# KiCad board AmigaPCI Mainboard.kicad_pcb (continued)
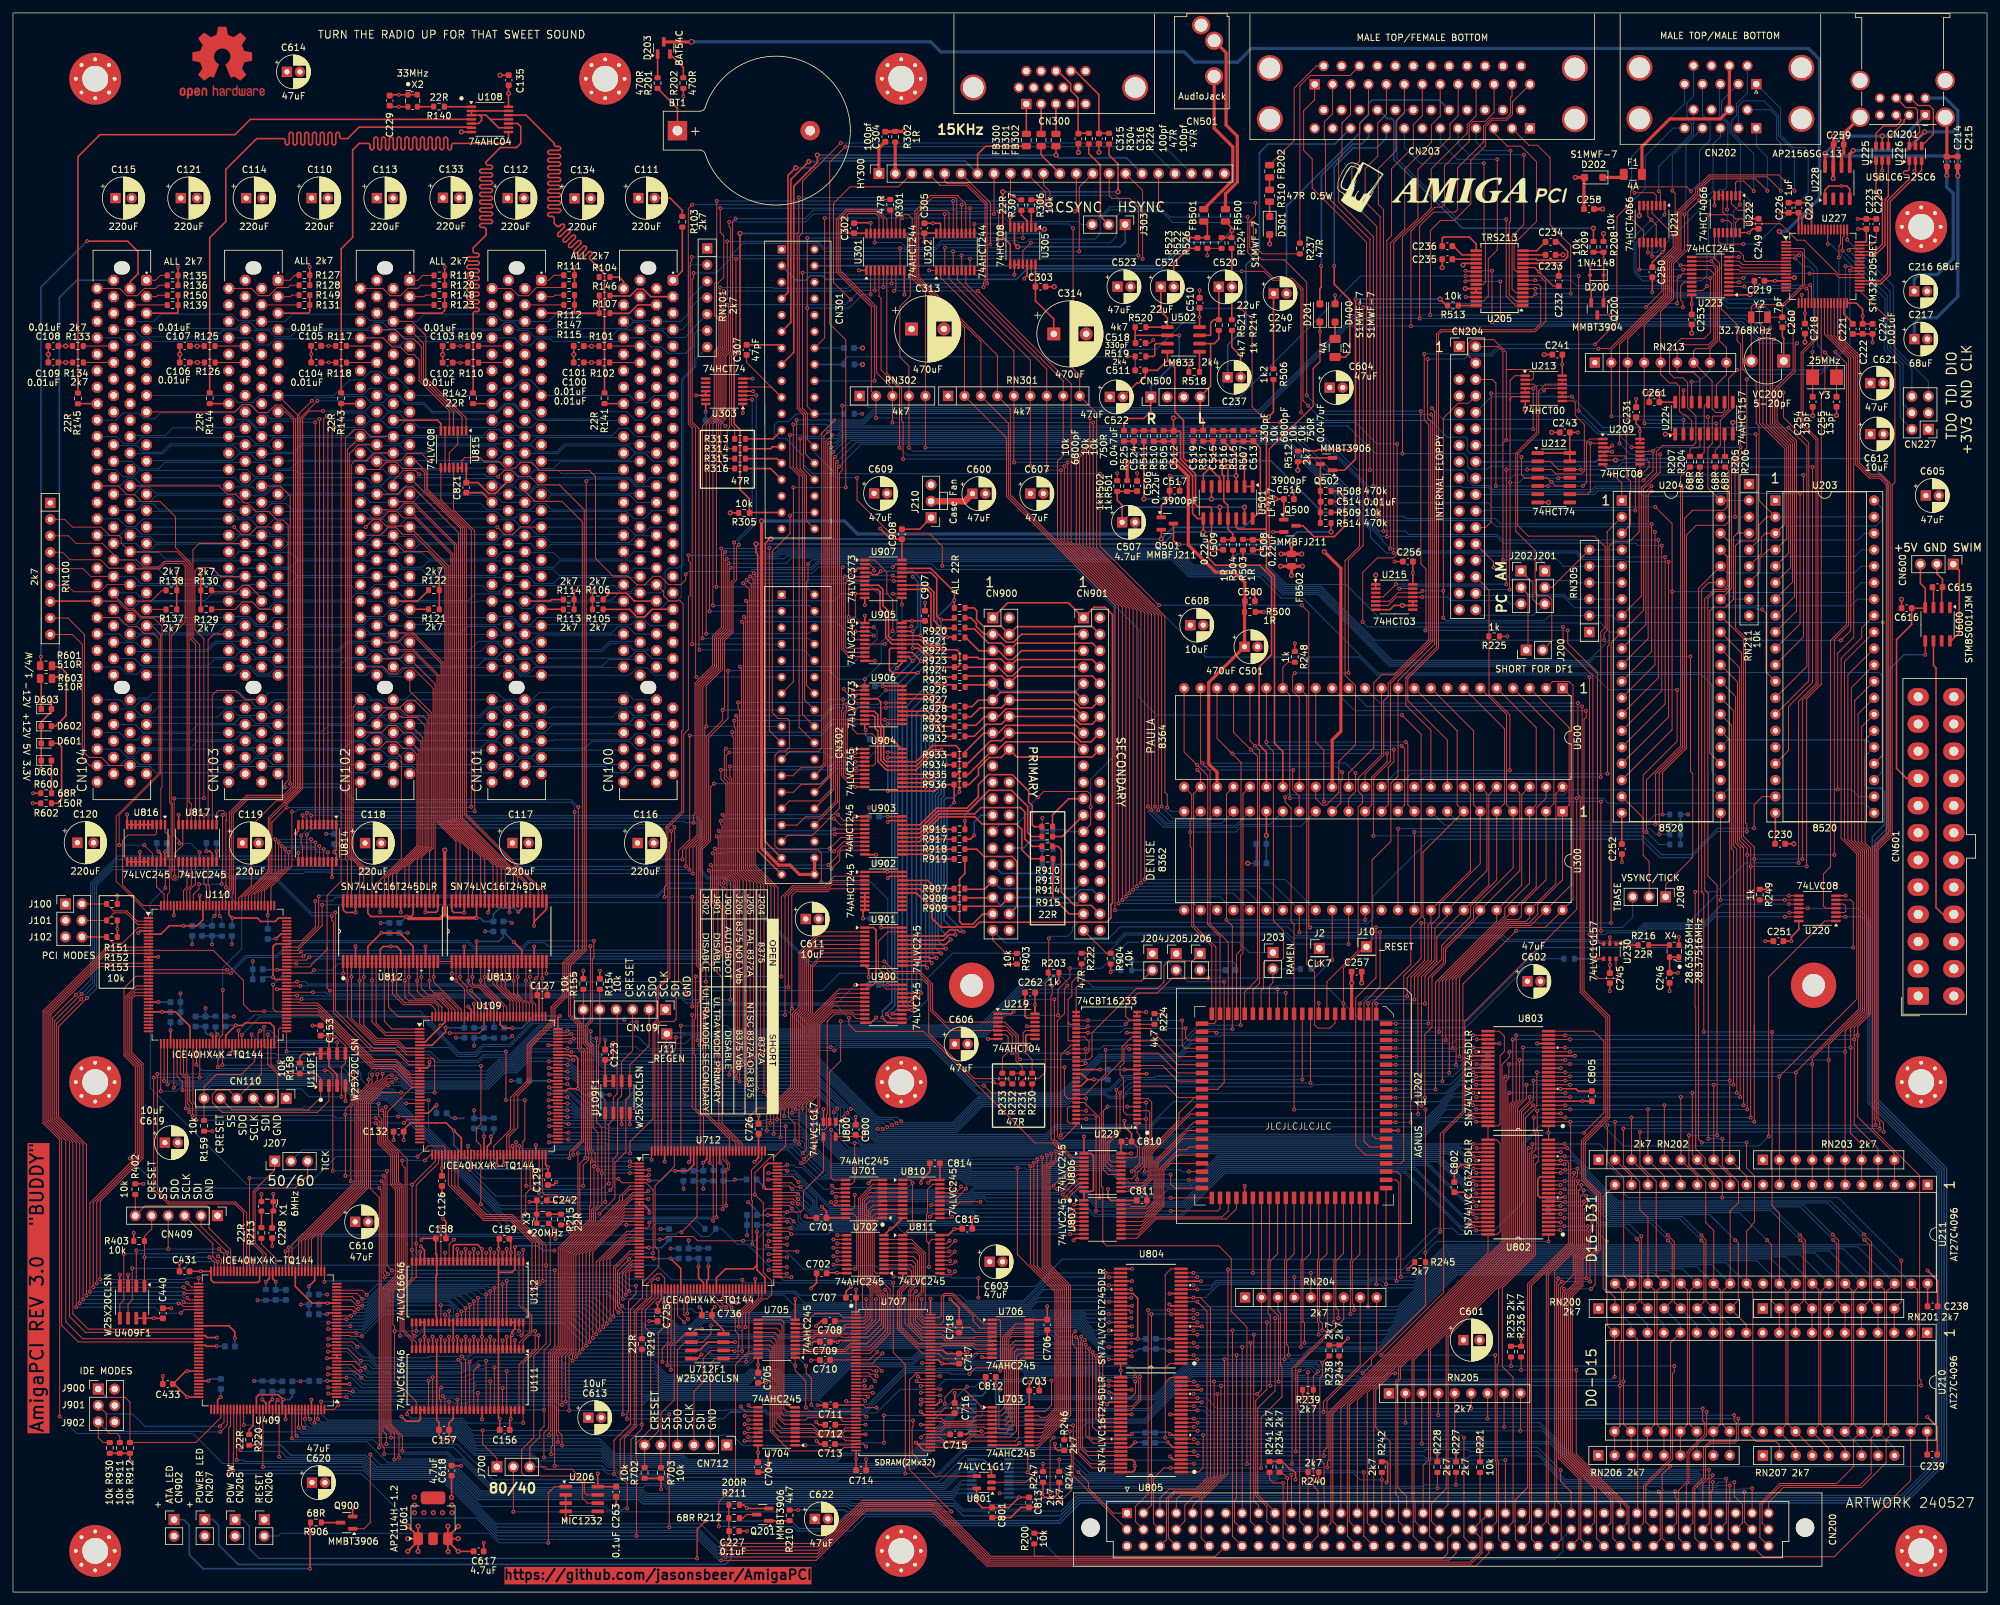
[diagram p0: board, top side]
## Routing (per net, layer and track width the routed paths; a pad name or vN(x,y) marks a point on that pad's centre or on a via; arc(x,y) is an arc through that point) (continued)
AUDOUT: length 11
  Top w0.25: 188.21,201.47 188.21,207.39 ; C520.2 188.19,196.48
BUFDIS: length 222.5
  Top w0.15: U409.125 38.59,19.35 v1(38.61,19.33) ; v1(109.36,5.94) 124.22,5.94 131.51,13.23 141.99,13.23 150.6,4.62 224.96,4.62 226.52,6.18 226.52,8.48 CN200.b22 226.52,10.82 226.52,18.19
  Bottom w0.15: v1(38.61,19.33) 53.99,19.33 55.61,17.7 66.17,17.7 74.69,9.19 105.56,9.19 108.8,5.94 v1(109.36,5.94)
C1: length 237.4
  Top w0.15: v1(165.63,81.68) 165.26,81.31 U229.42 ; v1(45.37,120.33) 45.38,120.32 U814.8 ; v1(155.49,82.25) 155.47,82.25 155.21,82.5 155.21,85.93 153.14,88.01 U219.3 143.86,88.01 142,89.87 142,93.9 140.07,95.82 136.1,95.82 v1(134.55,97.37) ; v1(188.27,86.92) 188.27,102.88 v1(187.37,103.78) 187.37,106.96 187.38,106.96 187.38,123.26 U500.28 ; U229.38 165.63,83.85 v1(165.63,83.85) ; U300.36 v1(208.77,103.78)
  Bottom w0.15: v1(208.77,103.78) v1(187.37,103.78) ; v1(45.37,120.33) 45.51,120.47 50.47,120.47 51.06,119.88 105.52,119.88 106.38,119.02 106.38,111.38 107.36,110.4 109.97,110.4 123,97.37 v1(134.55,97.37) ; v1(155.49,82.25) 165.06,82.25 v1(165.63,81.68) v1(165.63,83.85) 167.85,83.85 168.37,84.38 180.55,84.38 183.09,86.92 v1(188.27,86.92)
C3: length 215
  Top w0.15: U229.35 165.39,85.75 166.15,84.98 166.15,83.51 165.85,83.21 U229.39 162.82,83.21 v1(162.82,83.21) ; v1(189.54,87.53) 189.54,98.27 189.92,98.65 189.92,123.26 U500.29 ; v1(46.03,119.95) 46.03,119.94 U814.7 ; v1(154.29,83.21) 154.29,85.87 153.45,86.71 U219.5 144.74,86.71 141.7,89.75 141.7,93.77 139.95,95.52 135.53,95.52 v1(134.55,96.5)
  Bottom w0.15: v1(189.54,87.53) 183.04,87.53 180.76,85.25 164.86,85.25 v1(162.82,83.21) v1(154.29,83.21) ; v1(46.03,119.95) 50.34,119.95 50.78,119.51 105.47,119.51 106.08,118.9 106.08,111.26 107.24,110.1 109.85,110.1 123.29,96.66 134.39,96.66 v1(134.55,96.5)
CBANK0: length 36.5
  Top w0.15: v1(131.51,32.68) 131.18,32.35 U707.22 ; U712.52 106.12,45.28 v1(106.12,45.28)
  In2.Cu w0.15: v1(131.51,32.68) 130.82,33.37 130.82,37.69 125.34,43.18 113.12,43.18 112.67,42.72 110.11,42.72 109.51,43.32 108.07,43.32 v1(106.12,45.28)
CBANK1: length 38.3
  Top w0.15: v1(104.96,45.25) 104.62,45.59 U712.49 ; U707.23 v1(131.51,31.85)
  In2.Cu w0.15: v1(131.51,31.85) 130.52,32.83 130.52,37.56 125.21,42.88 113.35,42.88 112.9,42.43 109.99,42.43 109.4,43.01 107.96,43.01 106.22,44.75 105.46,44.75 v1(104.96,45.25)
CCLKE: length 38.1
  Top w0.15: U712.84 v1(116.68,54.2) ; U707.67 v1(143.14,33.35)
  In2.Cu w0.15: v1(116.68,54.2) 116.71,54.16 121.14,54.16 139.59,35.72 139.59,35.4 141.63,33.35 v1(143.14,33.35)
CLK6: length 6
  Top w0.15: R213.1 38.36,53.75 40.59,51.52 U409.52
CLK7: length 109.3
  Top w0.15: v1(206.23,100.05) U300.35 ; U800.2 126.09,80.31 127.79,82.01 v1(127.79,88.14) ; R222.1 166.26,98.64
  Top w0.25: 166.26,98.64 v1(166.27,98.65)
  Bottom w0.15: v1(127.79,88.14) 127.79,88.13 137.88,88.13 141.22,91.48 141.22,94.79 145.08,98.65 v1(166.27,98.65) 168.98,98.65 171.8,101.47 196.39,101.47 197.81,100.05 206.23,100.05 v1(206.23,100.05)
CLK20: length 12.1
  Top w0.15: U712.20 v1(94.71,56.7) ; v1(85.68,56.7) R215.1
  Bottom w0.15: v1(85.68,56.7) v1(94.71,56.7)
CLK40: length 374.1
  Top w0.15: CN200.a28 240.59,15.45 238.96,17.08 v1(238.96,18.81) ; v1(137.78,18.31) 137.78,18.31 137.78,35.15 135.92,37 v1(135.92,47.76) ; v1(40.87,29.67) 40.59,29.39 U409.129 ; v1(72.23,59.88) U109.52 72.23,68.97 71.55,69.65 71.55,71.56 72.26,72.27 v1(72.26,81.26) ; U110.52 v1(30.34,83.16) ; U206.7 88.6,15 88.22,15.39 88.22,17.07 86.32,18.97 82.54,18.97 82.17,19.34 J700.3 79.8,22.4 81.35,23.95 81.35,24.96 82.01,25.62 v1(82.01,28.13) 82.01,37.34 82.95,38.28 82.95,55.11 v1(82.94,55.12)
  Bottom w0.15: 81.38,28.13 80.52,28.13 ; 81.38,28.13 81.57,28.13 80.52,28.13 ; 81.38,28.13 v1(82.01,28.13) ; v1(72.23,59.88) 76.62,55.49 81.01,55.49 81.38,55.12 v1(82.94,55.12) 94.86,55.12 95.79,56.05 98.45,56.05 99.34,56.94 104.25,56.94 106.29,54.9 107.44,54.9 108.5,55.96 ; v1(72.26,81.26) 60.71,81.26 60.16,81.81 53.44,81.81 52.78,82.47 31.03,82.47 v1(30.34,83.16) ; v1(238.96,18.81) 235.45,22.32 146.86,22.32 142.85,18.31 v1(137.78,18.31) ; v1(135.92,47.76) 135.58,48.1 119.01,48.1 113.4,53.71 111.82,53.71 109.45,56.09 R218.2 ; 80.52,28.13 42.42,28.13 v1(40.87,29.67)
CLK80: length 232.4
  Top w0.15: CN200.a24 v1(230.43,20.37) ; U409.128 v1(40.09,26.66) ; J700.1 74.72,20.66 72.52,22.86 v1(72.52,24.95) ; R219.2 v1(97.1,25.9) 97.1,25.2 95.43,23.53 v1(95.43,18.76)
  Bottom w0.15: v1(95.43,18.76) 102.03,18.76 103.09,17.71 142.67,17.71 146.98,22.02 164.88,22.02 166.53,20.37 v1(230.43,20.37) ; v1(40.09,26.66) 40.95,27.52 47.57,27.52 48.56,26.53 69.24,26.53 70.82,24.95 v1(72.52,24.95) 94.59,24.95 95.54,25.9 v1(97.1,25.9)
CLKCIA: length 412.2
  Top w0.25: v1(37.8,22.69) 37.79,22.68 R220.2
  Bottom w0.2: v1(37.8,22.69) 41.35,22.69 42.91,21.13 54.42,21.13 56.27,19.27 66.83,19.27 71.81,14.29 96.59,14.29 97.25,13.62 128.96,13.62 129.26,13.32 145.17,13.32 146.71,11.78 161.67,11.78 164.44,14.55 291.75,14.55 297.77,20.57 297.77,65.11 287.08,75.8 287.08,116.63 288.94,118.49 288.94,123.62 288.4,124.16 286.36,124.16 285.96,124.55 285.96,129.05 U203.25 286.24,131.58 264.77,131.58 U204.25
CLKPCI0: length 2.9
  Top w0.25: 91.35,183.5 CN100.B16
CLKPCI1: length 2.9
  Top w0.25: 71.03,183.5 CN101.B16
CLKPCI2: length 128.8
  Top w0.15: 48.5,99.61 48.5,99.22 45.82,96.54 42.3,96.54 ; 48.5,99.61 48.5,93.28 v1(48.92,92.86) ; 48.5,99.61 48.5,107.57 50.67,109.74 R143.1 ; v1(70.71,92.86) 72.15,91.43 72.15,89.99 72.23,89.91 U109.129
  Top w0.25: 50.68,183.5 CN102.B16
  Bottom w0.15: v1(48.92,92.86) v1(70.71,92.86)
CLKPCI3: length 2.9
  Top w0.25: 30.39,183.5 CN103.B16
CLKPCI4: length 3
  Top w0.25: 10.05,183.5 CN104.B16
CMA0: length 38.6
  Top w0.15: v1(132.76,30.77) 130.24,30.77 U707.25 ; v1(109.37,43.9) 107.62,45.64 U712.55
  In2.Cu w0.15: v1(132.76,30.77) 132.05,31.48 132.05,33 131.12,33.93 131.12,37.81 125.46,43.47 112.95,43.47 112.5,43.02 110.24,43.02 v1(109.37,43.9)
CMA1: length 42.5
  Top w0.15: v1(104.12,43.02) 104.12,43.03 U712.48 ; v1(132,30.17) 131.82,30.35 U707.26
  In2.Cu w0.15: v1(104.12,43.02) 104.63,42.52 109.47,42.52 109.86,42.12 113.07,42.12 113.52,42.57 125.09,42.57 130.23,37.44 130.23,31.94 v1(132,30.17)
CMA2: length 43.1
  Top w0.15: U707.27 131.26,29.85 v1(131.6,29.51) ; v1(104.22,42.18) 103.57,42.82 103.57,43.97 103.62,44.02 U712.47
  In2.Cu w0.15: v1(131.6,29.51) 129.93,31.19 129.93,37.31 124.96,42.27 113.7,42.27 113.25,41.82 109.74,41.82 109.35,42.22 104.27,42.22 v1(104.22,42.18)
CMA3: length 34.4
  Top w0.15: 118.03,50.2 v1(119.5,50.2) ; U707.60 140.3,29.85 v1(140.18,29.72)
  In2.Cu w0.15: 139.04,30.06 139.38,29.72 v1(140.18,29.72) ; 139.04,30.06 139.25,29.85 ; 139.04,30.06 137,32.1 137,35.33 122.13,50.2 v1(119.5,50.2)
CMA4: length 39.9
  Top w0.15: v1(143.18,30.35) U707.61 ; U712.78 v1(116.68,51.2)
  In2.Cu w0.15: v1(143.18,30.35) 143.07,30.25 139.48,30.25 137.3,32.43 137.3,35.46 121.58,51.18 121.57,51.18 116.7,51.18 v1(116.68,51.2)
CMA5: length 34.1
  Top w0.15: U707.62 140.25,30.85 v1(140.18,30.77) ; U712.79 v1(119.5,51.7)
  In2.Cu w0.15: v1(119.5,51.7) 120.45,51.7 120.55,51.6 121.58,51.6 137.6,35.58 137.6,32.62 139.45,30.77 v1(140.18,30.77)
CMA6: length 39.8
  Top w0.15: 118.03,52.18 v1(116.68,52.18) ; v1(143.18,31.3) 143.12,31.35 U707.63
  In2.Cu w0.15: v1(116.68,52.18) 116.8,52.3 120.45,52.3 120.85,51.9 121.7,51.9 137.9,35.7 137.9,32.93 139.53,31.3 v1(143.18,31.3)
CMA7: length 33.9
  Top w0.15: 118.03,52.68 121.03,52.68 v1(121.12,52.59) ; U707.64 140.18,31.85 v1(140.15,31.82)
  In2.Cu w0.15: v1(121.12,52.59) 121.44,52.59 138.2,35.83 138.2,33.05 139.43,31.82 v1(140.15,31.82)
CMA8: length 37.1
  Top w0.15: U712.82 116.71,53.2 v1(116.42,53.49) ; U707.65 139.77,32.35 v1(139.54,32.58)
  In2.Cu w0.15: v1(116.42,53.49) 116.8,53.11 121.34,53.11 138.5,35.95 138.5,33.62 v1(139.54,32.58)
CMA9: length 33.4
  Top w0.15: v1(119.53,53.64) 119.46,53.7 U712.83 ; U707.66 140.18,32.85 v1(139.71,33.31)
  In2.Cu w0.15: v1(139.71,33.31) 138.8,34.22 138.8,36.08 121.24,53.64 v1(119.53,53.64)
CMA10: length 38.1
  Top w0.15: 130.19,31.32 131.19,31.32 ; 131.19,31.32 132.19,31.32 v1(132.57,31.71) ; 131.19,31.32 132.13,31.32 132.14,31.33 ; U712.56 108.12,45.89 109.99,44.01 v1(110.14,44.01)
  In2.Cu w0.15: v1(110.14,44.01) 110.82,43.32 112.38,43.32 112.83,43.77 125.59,43.77 131.43,37.94 131.43,34.05 132.57,32.9 v1(132.57,31.71)
D0: length 53.5
  Top w0.15: U802.2 238.45,55.86 238.47,55.88 v1(238.92,55.88) ; RN200.2 247.35,45.47 246.06,46.76 v1(246.06,54.14) ; U210.19 250.87,39 250.87,12.3
  Bottom w0.15: U210.19 249.83,41.31 RN200.2 ; v1(238.92,55.88) 244.32,55.88 v1(246.06,54.14)
D1: length 84.6
  Top w0.15: v1(250.74,54.54) 251.12,54.16 251.12,45.01 RN200.3 ; v1(243.15,56.49) 243.15,56.12 242.91,55.88 242.91,52.8 241.81,51.7 241.81,47.55 240.16,45.9 240.16,21.25 247.02,14.39 247.02,8.3 CN200.c31 ; v1(239.54,56.5) 239.54,56.5 U802.3
  Bottom w0.15: v1(250.74,54.54) 248.79,56.49 v1(243.15,56.49) 239.55,56.49 v1(239.54,56.5) ; RN200.3 252.37,41.31 U210.18
D2: length 82.2
  Top w0.15: RN200.4 251.42,44.81 251.42,54.94 v1(251.42,54.94) ; v1(239.55,57.77) 239.55,57.77 U802.5 ; CN200.a31 248.21,13.63 240.46,21.38 240.46,45.78 242.11,47.43 242.11,51.58 243.21,52.68 243.21,55.62 243.68,56.09 243.68,57.25 v1(243.16,57.77)
  Bottom w0.15: v1(251.42,54.94) 249.57,56.79 244.82,56.79 243.85,57.77 v1(243.16,57.77) v1(239.55,57.77) ; RN200.4 254.91,41.31 U210.17
D3: length 69.8
  Top w0.15: RN200.5 256.19,45.01 256.19,53.65 v1(255.54,54.31) ; v1(238.92,58.4) 238.92,58.4 U802.6 ; U210.16 255.94,38.51 255.94,21.53 255.95,21.52 255.95,20.65 251.75,16.45 251.75,10.65 CN200.b32
  Bottom w0.15: v1(238.92,58.4) 243.96,58.4 ; 243.96,58.4 244.23,58.12 ; 243.96,58.4 244.23,58.12 ; v1(255.54,54.31) 252.76,57.09 245.27,57.09 244.23,58.12 ; U210.16 257.45,41.31 RN200.5
D4: length 92.5
  Top w0.15: U802.8 238.61,59.67 238.61,59.67 v1(238.93,59.67) ; CN200.b31 249.21,10.65 249.21,13.05 240.76,21.5 240.76,45.65 242.41,47.3 242.41,51.45 243.51,52.55 243.51,55.5 243.98,55.96 243.98,59.66 v1(243.98,59.67) ; RN200.6 256.5,44.81 256.5,54.1 v1(255.48,55.11)
  Bottom w0.15: RN200.6 259.99,41.31 U210.15 ; v1(238.93,59.67) v1(243.98,59.67) 244.11,59.67 246.39,57.39 253.2,57.39 v1(255.48,55.11)
D5: length 99
  Top w0.15: CN200.c30 244.48,8.3 244.48,16.08 239.56,21 239.56,46.13 239.58,46.15 239.58,46.17 241.21,47.8 241.21,51.95 242.31,53.05 242.31,59.71 242.56,59.96 v1(242.56,60.31) ; U802.9 239.04,60.31 239.13,60.22 v1(239.64,60.22) ; RN200.7 261.08,44.82 261.08,53.91 v1(260.69,54.31)
  Bottom w0.15: v1(260.69,54.31) 257.31,57.69 246.7,57.69 244.08,60.31 v1(242.56,60.31) 241.08,60.31 240.99,60.22 v1(239.64,60.22) ; RN200.7 262.53,41.31 U210.14
D6: length 99.4
  Top w0.15: v1(238.93,61.59) 237.1,61.59 ; v1(242.9,61.19) 243.08,61 243.08,59.62 242.61,59.15 242.61,52.93 241.51,51.83 241.51,47.68 239.86,46.03 239.86,21.13 246.72,14.27 246.72,10.7 CN200.b30 ; RN200.8 261.38,45 261.38,54.38 v1(260.71,55.06)
  Bottom w0.15: RN200.8 265.07,41.31 U210.13 ; v1(238.93,61.59) 241.58,61.59 241.98,61.19 v1(242.9,61.19) 243.63,61.19 246.83,57.99 257.78,57.99 v1(260.71,55.06)
D7: length 107.7
  Top w0.15: U210.12 267.61,41.31 RN200.9 266.4,45.06 266.4,53.86 v1(265.94,54.32) ; CN200.c29 242.08,8.16 242.08,17.63 238.96,20.75 238.96,47.03 240.91,48.98 240.91,52.07 242.01,53.17 242.01,61.06 242.53,61.58 v1(242.53,62.04) ; U802.12 239,62.21 239,62.21 v1(239.57,62.21)
  Bottom w0.15: v1(265.94,54.32) 263.25,57.01 ; 263.25,57.01 261.97,58.29 246.95,58.29 243.2,62.04 v1(242.53,62.04) 239.74,62.04 v1(239.57,62.21) ; 263.25,57.01 262.28,57.98
D8: length 104.7
  Top w0.15: v1(242.18,62.85) 242.18,62.45 241.71,61.98 241.71,53.3 238.05,49.64 CN200.a27 ; U802.13 238.32,62.85 238.32,62.85 v1(238.94,62.85) ; 272.72,40.06 RN201.2 271.51,44.99 271.51,53.64 v1(270.81,54.34)
  Bottom w0.15: v1(270.81,54.34) 266.56,58.59 247.08,58.59 242.82,62.85 v1(242.18,62.85) v1(238.94,62.85)
D9: length 115.4
  Top w0.15: CN200.b27 237.05,10.65 237.05,49.06 241.41,53.42 241.41,62.73 241.64,62.96 v1(241.64,63.48) ; v1(275.97,54.34) 276.43,53.88 276.43,44.95 RN201.3 275.26,40.06 ; v1(239.59,63.48) 237.09,63.48
  Bottom w0.15: 272.88,57.44 271.73,58.58 ; 272.88,57.44 271.42,58.89 247.2,58.89 242.61,63.48 v1(241.64,63.48) v1(239.59,63.48) ; 272.88,57.44 v1(275.97,54.34)
D10: length 119.5
  Top w0.15: U210.8 277.77,43.75 ; v1(238.95,64.75) 238.3,64.75 238.3,64.75 U802.16 ; CN200.c26 234.46,8.16 234.46,47.32 240.81,53.67 240.81,64.08 241.04,64.31 v1(241.04,64.75) ; v1(275.89,55.16) 276.73,54.32 276.73,44.85 RN201.4
  Bottom w0.15: v1(238.95,64.75) 239,64.69 240.98,64.69 v1(241.04,64.75) 241.76,64.75 247.32,59.19 271.86,59.19 v1(275.89,55.16)
D11: length 122
  Top w0.15: v1(239.67,65.22) 239.22,65.22 239.05,65.39 U802.17 ; 280.34,40.06 RN201.5 281.6,45.03 281.6,53.84 v1(281.06,54.38) ; CN200.b26 236.75,10.89 236.75,49.19 241.11,53.55 241.11,63.78 241.56,64.23 241.56,65.38 v1(241.55,65.39)
  Bottom w0.15: v1(239.67,65.22) 240.6,65.22 240.77,65.39 v1(241.55,65.39) 241.55,65.39 247.45,59.49 275.95,59.49 v1(281.06,54.38)
D12: length 129.2
  Top w0.15: CN200.c25 231.97,8.11 231.97,10.1 231.92,10.15 231.92,14.19 233.86,16.13 233.86,47.57 240.21,53.92 240.21,66.27 239.82,66.66 v1(238.95,66.66) 238.95,66.66 U802.19 ; v1(280.98,55.21) 281.89,54.29 281.89,44.76 RN201.6 282.88,40.06
  Bottom w0.15: v1(238.95,66.66) 241.02,66.66 242.31,65.38 242.31,65.06 247.57,59.79 276.39,59.79 v1(280.98,55.21)
D13: length 137.2
  Top w0.15: v1(285.87,54.39) 286.68,53.58 286.68,45.03 RN201.7 ; v1(234.98,67.29) 234.74,67.05 234.74,52.16 229.38,46.8 229.38,35.32 229.15,35.09 229.15,20.37 229.38,20.14 229.38,8.16 CN200.c24 ; U210.5 285.39,43.75 ; v1(239.6,67.28) 237.1,67.28
  Bottom w0.15: v1(234.98,67.29) 239.59,67.29 v1(239.6,67.28) 240.83,67.28 242.62,65.48 242.62,65.16 247.7,60.09 280.17,60.09 v1(285.87,54.39)
D14: length 144.9
  Top w0.15: v1(285.77,55.24) 286.98,54.03 286.98,44.76 RN201.8 287.96,40.06 ; U802.22 239.97,68.56 v1(239.98,68.55) ; CN200.c20 218.73,8.65 218.73,20.13 218.86,20.26 218.86,37.55 233.82,52.51 233.82,68.33 v1(234.05,68.56)
  Bottom w0.15: v1(234.05,68.56) 239.97,68.56 v1(239.98,68.55) ; 239.98,68.55 243.06,65.48 243.06,65.16 247.82,60.39 280.61,60.39 v1(285.77,55.24)
D15: length 305.1
  Top w0.15: v1(259.72,108.14) 259.72,90.37 259.81,90.28 259.81,70.47 ; 259.81,70.47 259.81,68.88 259.83,68.87 ; 259.81,70.47 259.81,68.44 261.27,66.99 261.27,65.96 263.92,63.31 v1(263.92,60.91) ; U227.22 278.2,193.57 276.09,191.46 276.09,180.22 278.38,177.93 278.38,140.21 275.7,137.53 v1(275.7,112.6) ; v1(291.56,51.18) 291.56,44.84 RN201.9 ; CN200.b20 219.03,10.89 219.03,13.71 221.29,15.96 221.29,39.56 234.12,52.39 234.12,67.73 234.57,68.18 234.57,69.18 v1(234.58,69.19) ; U802.23 239.59,69.2 v1(239.6,69.19) ; U210.3 290.47,43.75
  Bottom w0.15: v1(291.56,51.18) 281.83,60.91 v1(263.92,60.91) 249.38,60.91 248.65,61.64 248.65,63.54 246.13,66.06 246.13,68.07 245.01,69.19 v1(239.6,69.19) v1(234.58,69.19) ; v1(259.72,108.14) 263,108.14 267.46,112.6 v1(275.7,112.6)
D16: length 289.1
  Top w0.15: U227.23 278.7,193.64 276.39,191.34 276.39,180.35 278.69,178.06 278.69,140.09 276.29,137.7 v1(276.29,113.21) ; 268.86,83.82 268.86,113.21 v1(268.86,113.21) 268.86,115.04 267.18,116.72 267.18,147.25 U204.33 ; v1(247.36,72.62) RN202.2 249.9,64.21 U211.19 ; CN200.b25 234.16,10.84 234.16,47.45 240.51,53.8 240.51,71.85 240.43,71.93 v1(240.43,72.63) 240.43,72.63 U803.2 ; v1(268.86,72.63) 268.86,87.69
  Bottom w0.15: v1(268.86,72.63) 268.85,72.62 v1(247.36,72.62) 247.35,72.63 v1(240.43,72.63) ; v1(268.86,113.21) v1(276.29,113.21)
D17: length 288.9
  Top w0.15: v1(234.81,73.28) 234.81,71.22 235.12,70.91 235.12,68.31 234.44,67.63 234.44,52.29 221.58,39.43 221.58,13.5 CN200.a20 ; v1(268.3,73.27) 268.3,112.03 v1(268.31,112.04) 268.31,114.95 266.87,116.39 266.87,145.02 U204.32 ; v1(276.95,112.04) 276.95,137.93 279.23,140.21 279.2,140.23 279.2,184.65 279.76,185.21 279.76,189.86 279.2,190.42 U227.24 ; U211.18 252.44,64.21 RN202.3 249.9,73.26 v1(249.89,73.27) ; U803.3 239.69,73.27 v1(239.69,73.27)
  Bottom w0.15: v1(268.3,73.27) v1(249.89,73.27) v1(239.69,73.27) 239.68,73.28 v1(234.81,73.28) ; v1(268.31,112.04) v1(276.95,112.04)
D18: length 290.8
  Top w0.15: CN200.b24 231.62,10.84 231.62,33.16 229.95,34.83 229.95,46.95 235.04,52.04 235.04,66.04 235.5,66.5 235.5,70.95 235.34,71.12 v1(235.34,74.3) ; U227.25 279.7,194.24 283.4,190.54 283.4,149.27 281.22,147.09 v1(281.22,113.84) ; U204.31 266.57,142.78 266.57,116.07 267.77,114.87 v1(267.77,113.84) v1(267.77,74.53) ; v1(240.43,74.53) 240.42,74.54 U803.5 ; U211.17 254.98,64.21 RN202.4 252.44,74.52 v1(252.45,74.53)
  Bottom w0.15: v1(235.34,74.3) 235.56,74.53 v1(240.43,74.53) v1(252.45,74.53) v1(267.77,74.53) ; v1(267.77,113.84) v1(281.22,113.84)
D19: length 191.6
  Top w0.15: v1(267.21,75.17) 267.21,114.9 266.27,115.84 266.27,140.54 U204.30 ; v1(254.98,75.17) RN202.5 257.52,64.21 U211.16 ; v1(239.68,75.17) 239.68,75.17 U803.6 ; v1(234.69,75.17) 233.22,73.69 233.22,52.76 216.31,35.86 216.31,14.15 216.49,13.97 216.49,10.89 CN200.b19
  Bottom w0.15: v1(267.21,75.17) v1(254.98,75.17) v1(239.68,75.17) 239.68,75.17 v1(234.69,75.17)
D20: length 189.1
  Top w0.15: U204.29 265.97,138.3 265.97,115.67 266.68,114.96 v1(266.68,76.44) ; v1(234.19,76.44) 234.19,75.83 232.62,74.26 232.62,53.01 214.24,34.63 214.24,32.92 213.82,32.5 213.82,16.12 215.19,14.75 CN200.a18 ; v1(240.41,76.44) 240.41,76.44 U803.8 ; v1(257.52,76.44) RN202.6 260.06,64.21 U211.15
  Bottom w0.15: v1(266.68,76.44) v1(257.52,76.44) v1(240.41,76.44) v1(234.19,76.44)
D21: length 196.3
  Top w0.15: v1(266.16,77.08) 266.16,114.73 265.67,115.22 265.67,136.06 U204.28 ; v1(231.05,77.09) 230.82,76.86 230.82,53.76 206.03,28.97 206.03,8.65 CN200.c15 ; U803.9 239.69,77.08 v1(239.69,77.08) ; U211.14 262.6,64.21 RN202.7 259.29,67.52 v1(259.29,77.08)
  Bottom w0.15: v1(266.16,77.08) v1(259.29,77.08) v1(239.69,77.08) 239.68,77.09 v1(231.05,77.09)
D22: length 187.6
  Top w0.15: v1(265.63,78.35) 265.63,114.49 265.37,114.75 265.37,133.82 U204.27 ; U803.11 240.41,78.35 v1(240.41,78.35) ; v1(262.59,78.35) 262.6,78.34 RN202.8 265.14,64.21 U211.13 ; CN200.b18 213.94,10.9 213.94,14.66 213.52,15.07 213.52,32.62 213.94,33.04 213.94,34.76 232.32,53.14 232.32,74.84 233.67,76.19 v1(233.67,78.34)
  Bottom w0.15: v1(265.63,78.35) v1(262.59,78.35) v1(240.41,78.35) 240.4,78.34 v1(233.67,78.34)
D23: length 184.8
  Top w0.15: v1(239.69,78.99) 239.68,78.98 U803.12 ; U211.12 267.68,64.21 RN202.9 ; v1(234.74,78.98) 234.74,75.96 232.92,74.14 232.92,52.89 216.01,35.98 216.01,14.02 216.19,13.85 216.19,8.65 CN200.c19 ; 265.07,67.03 v1(265.07,78.99) 265.07,131.58 U204.26
  Bottom w0.15: v1(265.07,78.99) v1(239.69,78.99) 239.68,78.98 v1(234.74,78.98)
D24: length 223.1
  Top w0.15: U211.10 272.76,66.71 ; U803.13 240.41,79.62 v1(240.41,79.62) ; v1(230.44,79.61) 230.22,79.38 230.22,54.01 203.79,27.58 203.79,10.89 CN200.b14 ; RN203.2 v1(272.73,79.62) 281.84,88.73 281.88,88.73 284.68,91.53 284.68,113.98 282.27,116.39 282.27,144.19 285.45,147.37 285.45,148.86 U203.33
  Bottom w0.15: v1(272.73,79.62) v1(240.41,79.62) 240.4,79.61 v1(230.44,79.61)
D25: length 210.1
  Top w0.15: 275.27,62.91 RN203.3 v1(275.27,80.25) 275.27,80.3 284.98,90.01 284.98,114.1 282.79,116.29 282.79,143.67 U203.32 ; v1(235.29,80.25) 235.29,75 233.52,73.23 233.52,52.64 218.56,37.67 218.56,20.38 217.73,19.56 CN200.a19 ; v1(239.68,80.25) 239.68,80.25 U803.14
  Bottom w0.15: v1(275.27,80.25) v1(239.68,80.25) v1(235.29,80.25)
D26: length 218.6
  Top w0.15: U203.31 283.32,141.65 283.32,116.19 285.28,114.23 285.28,89.88 277.81,82.41 v1(277.81,81.53) RN203.4 277.81,62.91 ; U803.16 240.41,81.52 v1(240.42,81.53) ; CN200.a14 205.03,28.39 230.52,53.88 230.52,78.93 230.97,79.38 v1(230.97,81.53)
  Bottom w0.15: v1(277.81,81.53) v1(240.42,81.53) v1(230.97,81.53)
D27: length 217.6
  Top w0.15: U203.30 283.84,139.64 283.84,116.09 285.58,114.35 285.58,89.76 280.35,84.53 v1(280.35,82.16) RN203.5 280.35,62.91 ; U803.17 239.67,82.16 v1(239.67,82.16) ; CN200.b16 209.11,10.65 209.11,30.77 231.72,53.38 231.72,75.09 232.62,75.99 v1(232.62,82.15)
  Bottom w0.15: v1(280.35,82.16) v1(239.67,82.16) 239.66,82.15 v1(232.62,82.15)
D28: length 221.6
  Top w0.15: v1(231.04,83.43) 231.04,82.59 229.92,81.47 229.92,54.13 203.49,27.7 203.49,10.65 CN200.b13 ; 282.89,62.91 RN203.6 v1(282.89,83.43) 282.89,86.64 285.88,89.63 285.88,114.48 284.37,115.99 284.37,137.62 U203.29 ; v1(240.41,83.43) 240.41,83.43 U803.19
  Bottom w0.15: v1(282.89,83.43) v1(240.41,83.43) v1(231.04,83.43)
D29: length 213
  Top w0.15: v1(233.15,84.07) 233.14,84.06 233.14,76.09 232.02,74.97 232.02,53.26 210.11,31.35 CN200.a16 ; 285.43,62.91 RN203.7 285.43,69.15 283.74,70.84 v1(283.74,84.06) 283.74,87.07 286.18,89.51 286.18,114.6 284.89,115.89 284.89,135.6 U203.28 ; v1(239.67,84.06) 239.67,84.06 U803.20
  Bottom w0.15: v1(233.15,84.07) 239.66,84.07 v1(239.67,84.06) v1(283.74,84.06)
D30: length 219
  Top w0.15: v1(231.57,85.33) 231.57,75.79 231.12,75.34 231.12,53.63 206.33,28.84 206.33,10.89 CN200.b15 ; v1(240.41,85.34) 240.4,85.33 U803.22 ; U203.27 285.45,133.62 285.45,115.76 286.48,114.73 286.48,89.38 284.29,87.19 v1(284.29,85.34) 284.29,72.18 287.97,68.5 RN203.8 287.97,62.91
  Bottom w0.15: v1(284.29,85.34) v1(240.41,85.34) 240.4,85.33 v1(231.57,85.33)
D31: length 213.4
  Top w0.15: U803.23 239.66,85.97 v1(239.66,85.97) ; U203.26 285.97,131.6 285.97,115.66 286.78,114.85 286.78,89.26 284.82,87.3 v1(284.82,85.97) 284.82,73.41 290.51,67.72 RN203.9 290.51,62.91 ; CN200.a15 207.57,29.66 231.42,53.51 231.42,75.22 232.1,75.89 232.1,85.96 v1(232.09,85.97)
  Bottom w0.15: v1(232.09,85.97) v1(239.66,85.97) v1(284.82,85.97)
DA0: length 67.5
  Top w0.15: v1(119.21,89.12) 119.2,89.13 119.2,107.45 120.49,108.74 125.47,108.74 126.61,109.89 U902.3 ; v1(104.88,89.11) 104.88,89.1 104.88,74.85 106.12,73.6 U712.129
  Bottom w0.15: v1(119.21,89.12) 104.89,89.12 v1(104.88,89.11)
DA1: length 67.4
  Top w0.15: U902.2 126.84,110.54 125.34,109.04 120.37,109.04 118.65,107.33 v1(118.65,95.06) ; U712.128 106.62,73.53 105.41,74.74 105.41,82.81 105.18,83.04 105.18,88.43 105.41,88.66 105.41,95.05 v1(105.41,95.06)
  Bottom w0.15: v1(118.65,95.06) v1(105.41,95.06)
DA2: length 66.4
  Top w0.15: U902.4 126.47,109.24 125.67,108.44 120.62,108.44 119.72,107.54 119.72,93.41 v1(119.72,93.4) ; U712.120 110.62,69.95 106.62,73.95 106.62,89.8 107.12,90.3 v1(107.12,93.4)
  Bottom w0.15: v1(119.72,93.4) v1(107.12,93.4)
DBDIR: length 82.6
  Top w0.15: v1(122.4,28.51) 122.4,32.59 120.78,34.21 v1(120.78,34.93) 120.77,34.93 U705.1 ; U706.1 152.31,42.05 152.48,41.88 152.48,35.25 151.93,34.71 148.71,34.71 v1(147.67,33.67) ; v1(101.05,35.02) 101.05,37.98 101.62,38.55 U712.43
  Bottom w0.15: v1(120.78,34.93) 119.48,36.22 114.76,36.22 113.56,35.02 v1(101.05,35.02) ; v1(122.4,28.51) 122.94,27.96 131.95,27.96 137.86,33.88 144.6,33.88 144.81,33.67 v1(147.67,33.67)
DIR: length 81.9
  Top w0.15: v1(276.45,172.5) 276.45,172.49 276.45,147.49 U203.11
  Bottom w0.15: v1(276.45,172.5) 231.77,172.5 231.27,172 CN204.18
DKWE: length 107
  Top w0.15: v1(245.16,125.85) 245.16,148.23 245.85,148.92 245.85,161.39 244.19,163.05 233.98,163.05 232.32,164.7 232.32,175.73 235.58,178.98 235.58,185.47 236.63,186.52 239.21,186.52 U213.13
  Bottom w0.15: v1(245.16,125.85) 217.9,125.85 U500.39
DMAL: length 54.3
  Top w0.15: U500.12 211.31,129.27 207.69,125.66 207.69,123.67 208.38,122.99 208.38,121.89 207.69,121.2 207.69,99.06 202.88,94.24 U202.18
DRA0-G: length 31.8
  Top w0.15: U806.13 174.45,63.18 175.27,63.99 175.27,68.09 180.02,72.84 180.02,73.97 182.4,76.35 U202.42 179.9,76.35 178.12,78.13 U229.10
DRA1-0: length 20
  Top w0.15: 171.18,62.62 174.32,62.62 175.57,63.87 175.57,67.97 182.68,75.08 U202.43
DRA2-1: length 19.9
  Top w0.15: U202.44 181.84,73.81 175.87,67.84 175.87,63.74 174.45,62.32 173.14,62.32 172.7,61.88 U806.11
DRA3-2: length 21.7
  Top w0.15: U202.45 182.29,72.54 176.19,66.44 176.19,60.26 175.12,59.19 U807.18
DRA4-3: length 21.4
  Top w0.15: U202.46 181.44,71.27 176.49,66.32 176.49,60.14 174.89,58.53 U807.17
DRA5-4: length 21.1
  Top w0.15: U202.47 180.6,70 176.79,66.2 176.79,60.02 174.66,57.88 U807.16
DRA6-5: length 20.5
  Top w0.15: U202.48 181.61,68.73 181.2,68.32 179.99,68.32 177.09,65.42 177.09,59.89 174.44,57.24 U807.15
DRA7-6: length 20.2
  Top w0.15: U807.14 174.21,56.58 177.39,59.77 177.39,65.29 179.56,67.46 U202.49
DRA8-7: length 20
  Top w0.15: U202.50 178.71,66.19 177.69,65.17 177.69,59.64 173.99,55.94 U807.13
DRA9-8: length 30.2
  Top w0.15: U229.37 163.35,84.48 161.79,82.92 v1(161.79,70.52) ; v1(168.88,70.29) 168.65,70.06 168.65,65.81 169.34,65.12 U806.16
  Bottom w0.15: v1(168.88,70.29) 168.25,70.91 162.19,70.91 v1(161.79,70.52)
DRD0: length 146.4
  Top w0.15: U500.10 222.99,132.98 222.99,121.57 U300.7 217.71,114.25 217.71,104.19 217.96,103.94 217.96,97.54 215.27,94.85 v1(215.27,91.99) ; v1(144.92,63) 144.92,62.55 144.69,62.32 U810.18 ; U202.14 v1(207.96,90.88)
  In3.Cu w0.15: v1(207.96,90.88) 207.96,86.96 206.81,85.8 162.74,85.8 155.41,78.47 155.41,76.71 147.12,68.42 147.12,64.66 145.46,63 v1(144.92,63)